# Altium PCB platka.PcbDoc
Units mm, origin at the board's own origin, x right, y up, seen from the top; angles counter-clockwise.
Board outline 155 x 100 mm, 2 copper layers (Top Layer, Bottom Layer); 44 components, 20 nets, 147 pads, 75 vias.
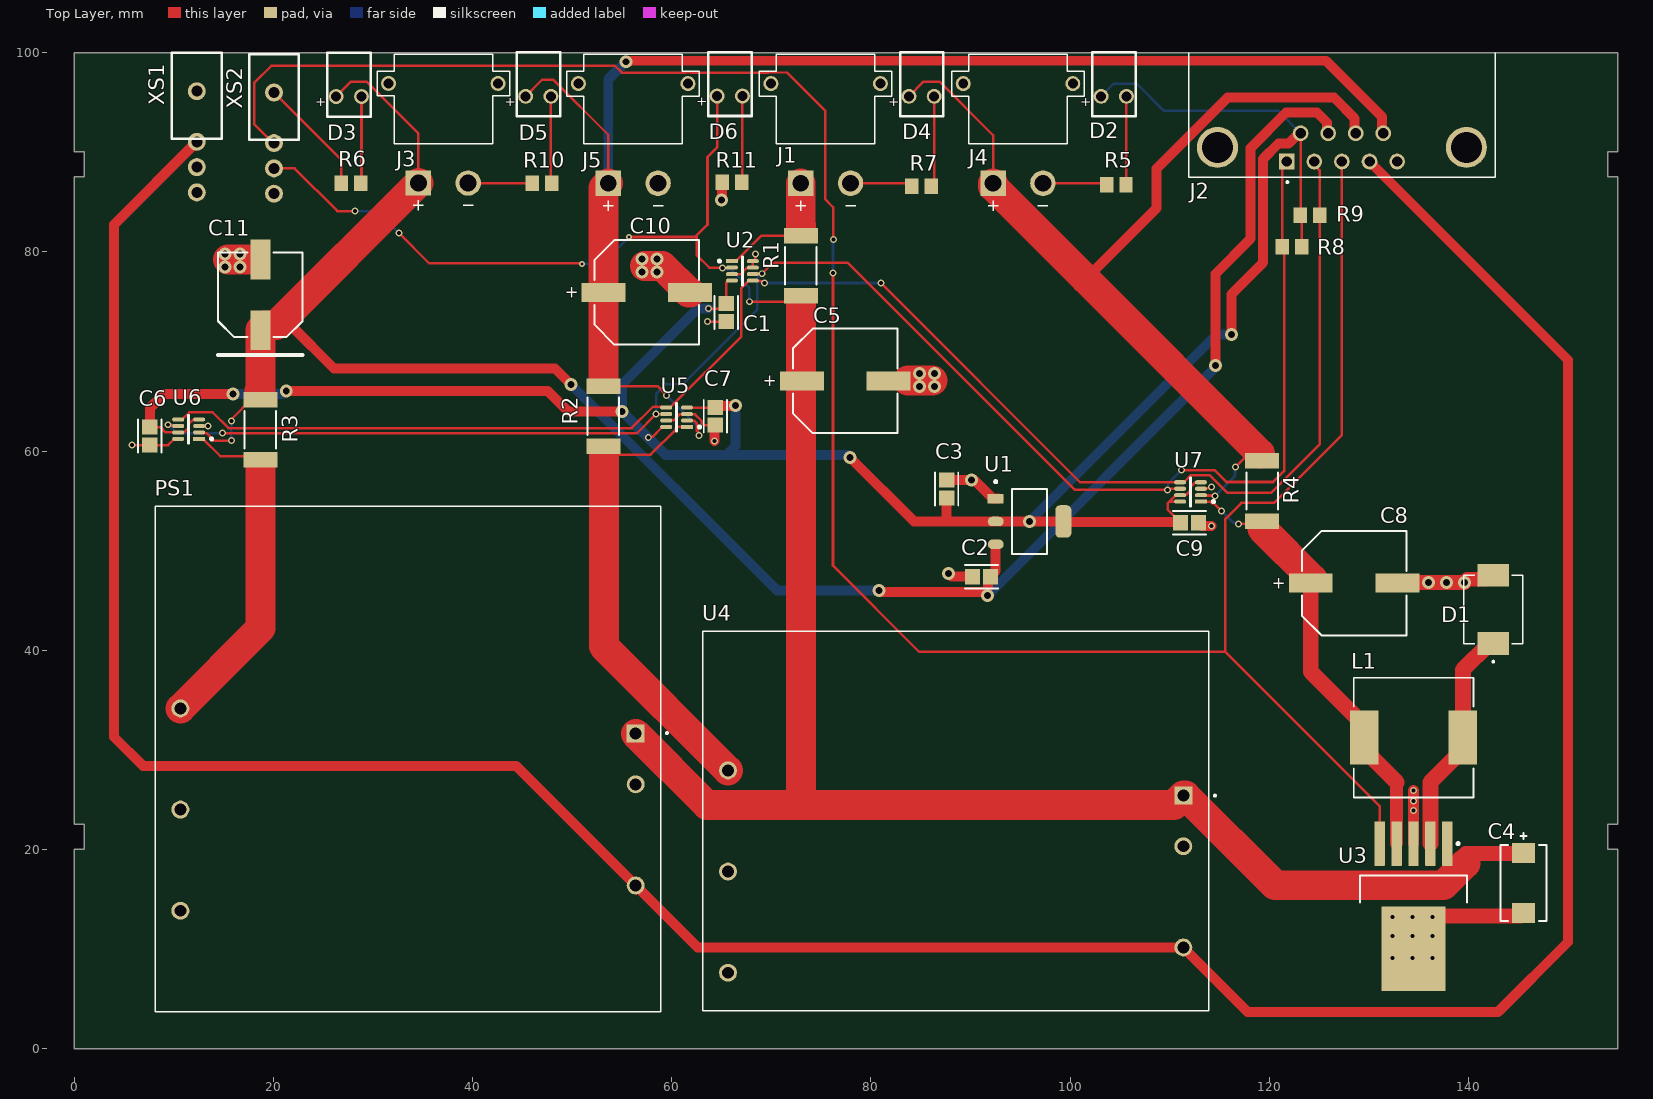
[diagram p0: Top Layer view]
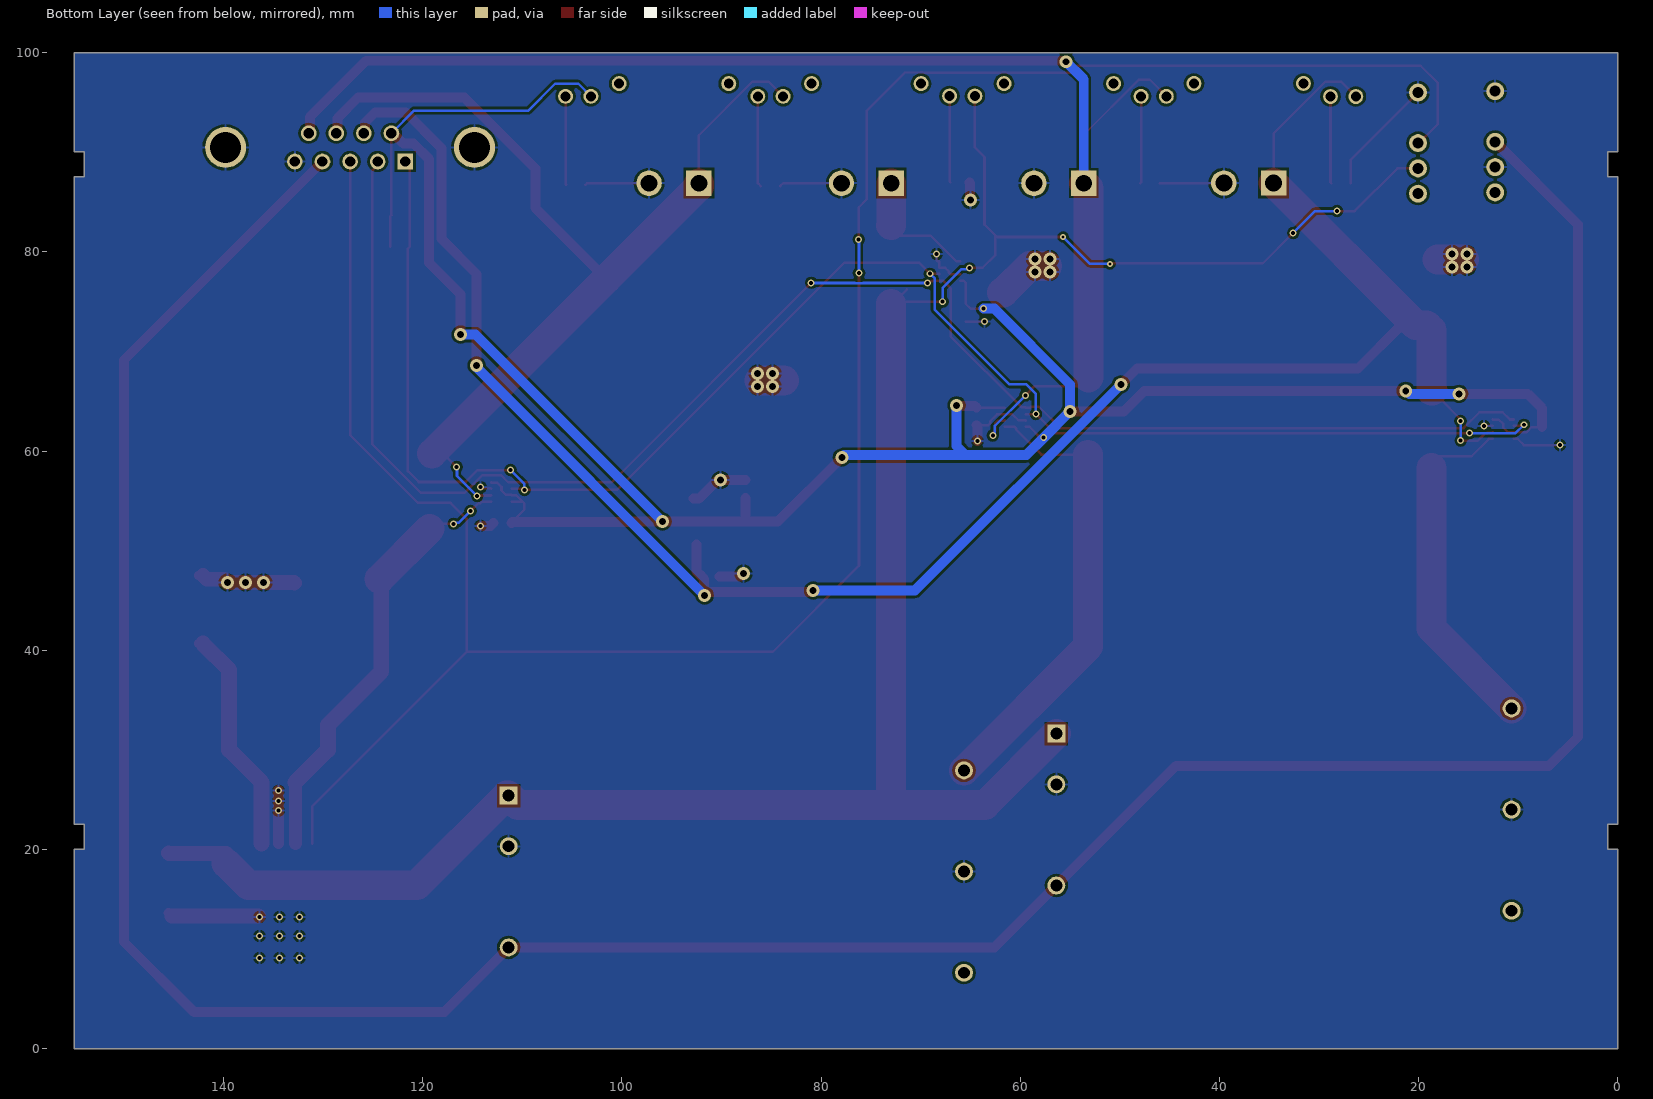
[diagram p1: Bottom Layer view, seen from below]
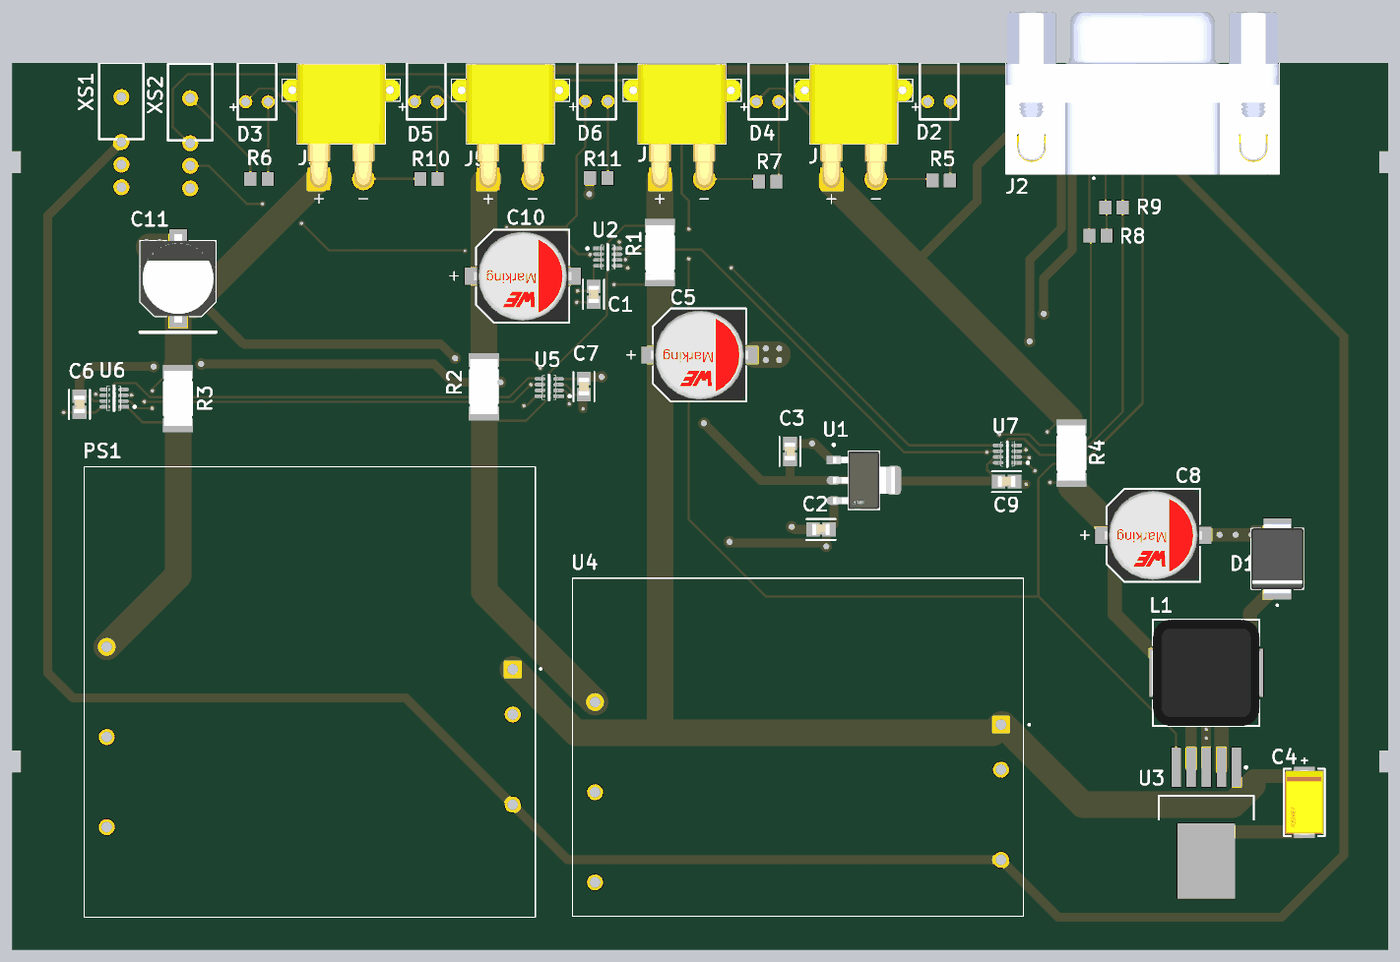
[diagram p2: 3D render of the assembled board from above, using the file's embedded part models]

## Layer stack, top to bottom
Top Solder: solder mask 0.0102, Solder Resist, Dk 3.5
Top Layer: signal copper 0.0356
Dielectric 1: dielectric 0.32, FR-4, Dk 4.8
Bottom Layer: signal copper 0.0356
Bottom Solder: solder mask 0.0102, Solder Resist, Dk 3.5

## Board outline
0.006,0.006 0.006,20.006 1.006,20.006 1.006,22.506 0.006,22.506 0.006,87.542 1.006,87.542 1.006,90.042 0.006,90.042 0.006,100.006 155.006,100.006 155.006,90.042 154.006,90.042 154.006,87.542 155.006,87.542 155.006,22.506 154.006,22.506 154.006,20.006 155.006,20.006 155.006,0.006

## Design rules (kind name [scope] priority, off if disabled: settings)
Clearance [All] p1: gap=0.254 ignorepadtopadclearanceinfootprint=FALSE
PolygonConnect [All] p1: connectstyle=Relief reliefconductorwidth=0.254 reliefentries=4 polygonreliefangle="90 Angle" airgapwidth=0.254
RoutingVias [All] p1: holewidth=0.4 width=0.7 viastyle="Through Hole" minholewidth=0.4 minwidth=0.7 maxholewidth=0.7 maxwidth=1.3
SolderMaskExpansion [All] p1: expansion=0.102 istentingtop=FALSE
SupplyNets "Schematic Supply Nets_6" [InNet('3.3v')] p1: voltage=0.000
SupplyNets "Schematic Supply Nets_5" [InNet('12 akkum do shunta')] p2: voltage=0.000
SupplyNets "Schematic Supply Nets_4" [InNet('5v lm')] p3: voltage=0.000
SupplyNets "Schematic Supply Nets_3" [InNet('GND')] p4: voltage=0.000
SupplyNets "Schematic Supply Nets_2" [InNet('12 akkum')] p5: voltage=0.000
SupplyNets "Schematic Supply Nets_1" [InNet('12v')] p6: voltage=0.000
SupplyNets "Schematic Supply Nets" [InNet('5v')] p7: voltage=0.000
Width [All] p1: maxlimit=3 minlimit=0.254 preferedwidth=1
30 further rules are at their usual default settings.

## Components (designator, comment, footprint, x,y, rotation, side; value= is the part's Value field where it differs from the comment)
C1 "C0805C104K5RACTU" FP-C0805C-DN-IPC_A 65.5,73.9 r90 top value=0.1мкФ
C2 "C0805C104K5RACTU" FP-C0805C-DN-IPC_A 91.1,47.4 r180 top value="10 мкФ"
C3 "C0805C104K5RACTU" FP-C0805C-DN-IPC_A 87.6,56.2 r90 top value="10 мкФ"
C4 "T495D107K016ATE125" FP-T495D107K016ATE125-MFG 145.542,16.637 r90 top
C5 "865060257010" 10*12.5 82.661,72.341 r180 top
C6 "C0805C104K5RACTU" FP-C0805C-DN-IPC_A 7.6,61.501 r90 top value=0.1мкФ
C7 "C0805C104K5RACTU" FP-C0805C-DN-IPC_A 64.4,63.5 r90 top value=0.1мкФ
C8 "865060257010" WCAP-ASLL_D10H10.5 128.524,46.736 r180 top
C9 "C0805C104K5RACTU" FP-C0805C-DN-IPC_A 112.001,52.8 r180 top value=0.1мкФ
C10 "865060257010" WCAP-ASLL_D10H10.5 57.506,75.946 r180 top
C11 "EEEFK1C471P" PNSC-FK-V-F_V 18.694,75.692 r90 top
D1 "SK56C" DIOM6859X262N 142.5,44.1 r90 top
D2 "Infrared, 1.5V, 30°" WL-TIRC_3mm 104.394,95.631 r0 top
D3 "Infrared, 1.5V, 30°" WL-TIRC_3mm 27.584,95.606 r0 top
D4 "Infrared, 1.5V, 30°" WL-TIRC_3mm 85.09,95.631 r0 top
D5 "Infrared, 1.5V, 30°" WL-TIRC_3mm 46.609,95.631 r0 top
D6 "Infrared, 1.5V, 30°" WL-TIRC_3mm 65.837,95.656 r0 top
J1 "XT30PW-M" AMASS_XT30PW-M 75.463,96.901 r0 top
J2 "L77SDE09SA4CH4F" AMPHENOL_L77SDE09SA4CH4F 127.307,90.5 r180 top
J3 "XT30PW-M" AMASS_XT30PW-M 37.069,96.919 r0 top
J4 "XT30PW-M" AMASS_XT30PW-M 94.781,96.901 r0 top
J5 "XT30PW-M" AMASS_XT30PW-M 56.134,96.901 r0 top
L1 "CDRH127/LDNP-470MC" SUMI-CDRH127_V 134.493,31.242 r270 top
PS1 "SDM30-12S5" CONV_SDM30-12S5 33.528,29.083 r0 top locked
R1 "CRCW25121R00FKEG" FP-CRCW2512-e3-IPC_A 72.974,78.613 r90 top
R2 "CRCW25121R00FKEG" FP-CRCW2512-e3-IPC_A 53.137,63.5 r270 top
R3 "CRCW25121R00FKEG" FP-CRCW2512-e3-IPC_A 18.694,62.154 r270 top
R4 "CRCW25121R00FKEG" FP-CRCW2512-e3-IPC_A 119.3,56 r270 top
R5 "ERJ-6ENF1001V" RESC2013X70X40ML20T20 104.648,86.741 r0 top
R6 "ERJ-6ENF1001V" RESC2013X70X40ML20T20 27.813,86.919 r0 top
R7 "ERJ-6ENF1001V" RESC2013X70X40ML20T20 85.09,86.614 r0 top
R8 "ERJ-6ENF1001V" RESC2013X70X40ML20T20 122.3,80.5 r0 top
R9 "ERJ-6ENF1001V" RESC2013X70X40ML20T20 124.1,83.7 r180 top
R10 "ERJ-6ENF1001V" RESC2013X70X40ML20T20 46.965,86.919 r0 top
R11 "ERJ-6ENF1001V" RESC2013X70X40ML20T20 66.065,86.995 r0 top
U1 "ams1117" FP-ams1117-IPC_A 95.936,52.934 r0 top
U2 "INA219AIDCNR" FP-DCN0008A-IPC_C 67.1,78.1 r0 top
U3 "LM2576HVSX-5.0" KTT0005B_M 134.493,14.283 r270 top
U4 "NSD15-12S12" CONV_NSD15-12S5 88.519,22.86 r0 top
U5 "INA219AIDCNR" FP-DCN0008A-IPC_C 60.5,63.4 r180 top
U6 "INA219AIDCNR" FP-DCN0008A-IPC_C 11.5,62.2 r180 top
U7 "INA219AIDCNR" FP-DCN0008A-IPC_C 112.1,55.9 r180 top
XS1 "тумблер угловой" "тумблер угловой" 12.319,85.979 r90 top
XS2 "тумблер угловой" "тумблер угловой" 20.066,85.852 r90 top

## Footprints (in the part's own frame and the unit in brackets; to place one, negate y for a bottom-side part, rotate by r counter-clockwise, add the part's x,y. Pads: shape width x height; smd on the part's side, far side on the other; paste and mask are expansions set on the pad)
10*12.5 [mm]
  rect 4.4x1.9 smd: 1(9.585,5.285) 2(0.885,5.285)
  silkscreen extent -0.01,0.04 10.49,10.54, body extent -0.26,0.14 10.74,10.44, height 12.35
AMASS_XT30PW-M [mm]
  round 2.55 hole 1.7: N(2.5,-10)
  rect 2.55x2.55 / inner round 2.55 / far side rect 2.55x2.55 hole 1.7: P(-2.5,-10)
  round 1.508 hole 1: S1(5.5,0) S2(-5.5,0)
  silkscreen extent -6.65,-12.75 6.65,2.95, body extent -6.65,-11 6.65,2.95, height 5
AMPHENOL_L77SDE09SA4CH4F [mm]
  rect 1.575x1.575 / inner round 1.575 / far side rect 1.575x1.575 hole 1.05: 01(5.54,1.42)
  round 1.575 hole 1.05: 02(2.77,1.42) 03(0,1.42) 04(-2.77,1.42) 05(-5.54,1.42) 06(4.155,-1.42) 07(1.385,-1.42) 08(-1.385,-1.42) 09(-4.155,-1.42)
  round 4.116 hole 3.1: SH1(-12.495,0) SH2(12.495,0)
  silkscreen extent -15.41,-9.5 15.41,3.6, body extent -15.4,-15.2 15.4,3.1, height 12.55
CONV_NSD15-12S5 [mm]
  rect 1.8x1.8 hole 1.2: 1(22.86,2.54)
  round 1.8 hole 1.2: 2(22.86,-2.54) 4(22.86,-12.7) 6(-22.86,5.08) 7(-22.86,-5.08) 8(-22.86,-15.24)
  silkscreen extent -25.4,-19.05 26.13,19.05, body extent -25.4,-19.05 25.4,19.05, height 9.82
CONV_SDM30-12S5 [mm]
  rect 1.8x1.8 hole 1.2: 1(22.86,2.54)
  round 1.8 hole 1.2: 2(22.86,-2.54) 4(22.86,-12.7) 6(-22.86,5.08) 7(-22.86,-5.08) 8(-22.86,-15.24)
  silkscreen extent -25.4,-25.4 26.1,25.4, body extent -25.53,-25.4 25.4,25.4, height 16
DIOM6859X262N [mm]
  rect 2.29x3.12 smd: A(3.43,0) C(-3.43,0)
  silkscreen extent -5.35,-2.95 3.43,2.95, body extent -3.97,-2.95 3.97,2.95, height 2.62
FP-ams1117-IPC_A [mm]
  rect 1.604x0.952 smd paste+0 mask+0: 1(-3.395,2.29)
  rrect100% 1.604x0.952 smd paste+0 mask+0: 2(-3.395,0) 3(-3.395,-2.29)
  rrect59% 1.604x3.262 smd paste+0 mask+0: 4(3.395,0)
  silkscreen extent -3.52,-3.25 1.75,4.12, body extent -4.7,-3.75 4.7,3.75, height 0.25
FP-C0805C-DN-IPC_A [mm]
  rect 1.505x1.556 smd paste+0 mask+0: 1(-0.901,0) 2(0.901,0)
  silkscreen extent -1.65,-1.18 1.65,1.18, body extent -2.15,-1.28 2.15,1.28, height 0.25
FP-CRCW2512-e3-IPC_A [mm]
  rect 1.555x3.408 smd paste+0 mask+0: 1(-3.026,0) 2(3.026,0)
  silkscreen extent -1.87,-1.58 1.87,1.58, body extent -4.3,-2.2 4.3,2.2, height 0.25
FP-DCN0008A-IPC_C [mm]
  rect 1.205x0.415 smd paste+0 mask+0: 1(-1.05,0.975)
  rrect100% 1.205x0.415 smd paste+0 mask+0: 2(-1.05,0.325) 3(-1.05,-0.325) 4(-1.05,-0.975) 5(1.05,-0.975) 6(1.05,-0.325) 7(1.05,0.325) 8(1.05,0.975)
  silkscreen extent -2.42,-1.45 0.05,1.45, body extent -1.75,-1.55 1.75,1.55, height 0.25
FP-T495D107K016ATE125-MFG [mm]
  rect 1.99x2.33 smd paste+0 mask+0: 1(-3.01,0) 2(3.01,0)
  silkscreen extent -3.8,-2.3 5,2.3, body extent -4.11,-2.4 4.11,2.4, height 0.25
KTT0005B_M [mm] "DPAK, 5-Leads, Body 10.65x9.65mm, Pitch 1.7mm, IPC Low Density"
  rrect10% 4.45x1.05 smd: 1(-6.3,3.4) 2(-6.3,1.7) 3(-6.3,0) 4(-6.3,-1.7) 5(-6.3,-3.4)
  rrect2% 8.5x6.45 smd: 6(4.25,0)
  silkscreen extent -6.42,-5.35 -0.4,5.35, body extent -3.1,-5.32 6.55,5.33, height 4.83
PNSC-FK-V-F_V [mm] "CAPAE, 2-Leads, Body 8.50x8.50mm"
  rect 4x2 smd: 1(-3.55,0) 2(3.55,0)
  silkscreen extent -6.05,-4.25 4.25,4.25, body extent -5,-4.25 5,4.25, height 10.5
RESC2013X70X40ML20T20 [mm] "Chip Resistor, 2-Leads, Body 2.00x1.25mm, IPC Low Density"
  rect 1.35x1.55 smd: 1(-0.975,0) 2(0.975,0)
  body extent -1.1,-0.72 1.1,0.72, height 0.7
SUMI-CDRH127_V [mm] "SMD, 2-Leads, Body 12x12mm"
  rect 5.4x2.9 smd: 1(0,4.95) 2(0,-4.95)
  silkscreen extent -6,-6 6,6, body extent -6,-6.1 6,6.1, height 8.4
WCAP-ASLL_D10H10.5 [mm] "Aluminium Electrolytic V-Chip SMT Capacitors, 10x10.5mm"
  rect 4.4x1.9 smd: 1(4.35,0) 2(-4.35,0)
  silkscreen extent -5.25,-5.25 5.25,5.25, body extent -5.5,-5.15 5.5,5.15, height 10.5
WL-TIRC_3mm [mm]
  round 1.5 hole 1: 1(-1.27,0) 2(1.27,0)
  silkscreen extent -2.16,-2.01 2.2,4.4, body extent -2.16,-2 2.16,6.89, height 7.35
"тумблер угловой" [mm] "SMTS-102-2C4"
  round 1.8 hole 1.1: 0(10.16,0) 1(5.08,0) 2(2.54,0) 3(0,0)
  silkscreen extent 5.41,-2.5 14.01,2.5, body extent -0.25,-2.54 25.07,2.54, height 8.3

## Part data
C1 C6 C7 C9: library part CMP-2007-00279-2, "CAP CER 0.1UF 50V X7R 0805", Capacitance="0.10 μF", Manufacturer=KEMET, Package=C0805C-DN, Temperature="-55°C to +125°C", Temperature Characteristic=X7R, Temperature Coefficient=30ppm/°C, Temperature Range High=+125°C, Temperature Range Low=-55°C, Tolerance=0.1, Voltage Rating="50 V", Automotive=No, Category=Cap, ComponentLink2Description=Datasheet, ComponentLink2URL=https://content.kemet.com/datasheets/KEM_C1003_C0G_SMD.pdf, Device Class L1="Passive Components", Device Class L2=Capacitors, Device Class L3="Ceramic Capacitors", Digikey Description="CAP CER 0.1UF 50V X7R 0805", Height=0.88mm, Ipc Land Pattern Name=CAPC200125X78, Lead Free=Yes, Manufacturer Part Number=C0805C104K5RACTU, Material=Ceramic, Mouser Description="Cap Ceramic 0.1uF 50V X7R 10% SMD 2.0 x 1.2 mm 125 C Paper T/R", Octopart=https://octopart.com/c0805c104k5ractu-kemet-143926, RoHS=TRUE
C2 C3: library part CMP-2007-00279-2, "CAP CER 10UF 50V X7R 0805", Capacitance="0.10 μF", Manufacturer=KEMET, Package=C0805C-DN, Temperature="-55°C to +125°C", Temperature Characteristic=X7R, Temperature Coefficient=30ppm/°C, Temperature Range High=+125°C, Temperature Range Low=-55°C, Tolerance=0.1, Voltage Rating="50 V", Automotive=No, Category=Cap, ComponentLink2Description=Datasheet, ComponentLink2URL=https://content.kemet.com/datasheets/KEM_C1003_C0G_SMD.pdf, Device Class L1="Passive Components", Device Class L2=Capacitors, Device Class L3="Ceramic Capacitors", Digikey Description="CAP CER 0.1UF 50V X7R 0805", Height=0.88mm, Ipc Land Pattern Name=CAPC200125X78, Lead Free=Yes, Manufacturer Part Number=C0805C104K5RACTU, Material=Ceramic, Mouser Description="Cap Ceramic 0.1uF 50V X7R 10% SMD 2.0 x 1.2 mm 125 C Paper T/R", Octopart=https://octopart.com/c0805c104k5ractu-kemet-143926, RoHS=TRUE
C4: library part CMP-2000-07207-2, "CAP TANT 100UF 10% 16V 2917", Capacitance=100uF, Case Code (Imperial)=2917, Case Code (Metric)=7343, Dielectric Material=Tantalum, ESR (Equivalent Series Resistance)=125mR, Max Operating Temperature=125°C, Min Operating Temperature=-55°C, Package Quantity=1, Tolerance=10%, Voltage=16V, Case/Package=2917, Construction=Flat, Depth=4.3mm, Dissipation Factor=8%, Failure Rate=0.001%, Features="General Purpose", Height=2.8mm, Height - Seated (Max)=0.122inch, Length=7.3mm, Life (Hours)=2000Hour, Mount="Surface Mount", Number of Pins=2, Packaging="Tape and Reel", Polarity=Polar, Radiation Hardening=No, REACH SVHC="No SVHC", RoHS Compliant=Yes, Series=T495, Termination=SMD/SMT, Voltage Rating=16V, Voltage Rating (DC)=16V, Weight=0.023634oz, Width=0.169inch
C5: library part konder, "865060257010 WCAP-ASLL Aluminum Electrolytic Capacitors 1000uf 25V", Capacitance=1mF, Case/Package=Radial, ESR (Equivalent Series Resistance)=99.9268mΩ, Insulation Resistance=100kΩ, Leakage Current=100µA, Max Operating Temperature=105°C, Min Operating Temperature=-55°C, Ripple Current=690mA, Tolerance=20%, Voltage Rating=25V, Voltage Rating (DC)=10V, Diameter=10mm, Height=10.5mm, Height - Seated (Max)=10.4902mm, Impedance=90mΩ, Length=12.5mm, Life (Hours)=5000hours, Mount="Surface Mount", NexarPartId=54202466, Polarity=Polar, REACH SVHC=Unknown, Ripple Current (AC)=690mA, RoHS=Compliant
C8: library part CMP-03913-54202466-2, "865060257010 WCAP-ASLL Aluminum Electrolytic Capacitors 1000uf 10v", Capacitance=1000uF, Case/Package=Radial, ESR (Equivalent Series Resistance)=99.9268mΩ, Insulation Resistance=100kΩ, Leakage Current=100µA, Max Operating Temperature=105°C, Min Operating Temperature=-55°C, Ripple Current=690mA, Tolerance=20%, Voltage Rating=10V, Diameter=10mm, Height=10.5mm, Height - Seated (Max)=10.4902mm, Impedance=90mΩ, Length=10.5mm, Life (Hours)=5000hours, Mount="Surface Mount", NexarPartId=54202466, Polarity=Polar, REACH SVHC=Unknown, Ripple Current (AC)=690mA, RoHS=Compliant, Voltage Rating (DC)=10V
C10: library part CMP-03913-54202466-2, "865060257010 WCAP-ASLL Aluminum Electrolytic Capacitors 470uf 16v", Capacitance=470uF, Case/Package=Radial, ESR (Equivalent Series Resistance)=99.9268mΩ, Insulation Resistance=100kΩ, Leakage Current=100µA, Max Operating Temperature=105°C, Min Operating Temperature=-55°C, Ripple Current=690mA, Tolerance=20%, Voltage Rating=16V, Voltage Rating (DC)=10V, Diameter=10mm, Height=10.5mm, Height - Seated (Max)=10.4902mm, Impedance=90mΩ, Length=10.5mm, Life (Hours)=5000hours, Mount="Surface Mount", NexarPartId=54202466, Polarity=Polar, REACH SVHC=Unknown, Ripple Current (AC)=690mA, RoHS=Compliant
C11: library part CMP-2000-06204-1, "Aluminum Electrolytic Capacitor, 470 uF, +/- 20%, 10 V, 2-Pin SMD (Size Code F), -55 to 105 degC, RoHS, Tape and Reel", Capacitance=470µF, Case Size/Dimension=Ø8x10.2mm, Lifetime@Temperature=2000Hrs@105°C, Manufacturer=Panasonic, Operating Temp Range=-55to+105°C, Operating Temp-Max=105°C, Package Description="2-Pin Electrolytic Aluminum Capacitor, Body 8.3 x 8.3 mm", Package Reference=FK-V-F, Rated Voltage=10V, Ripple Current=600mA, Datasheet URL=http://industrial.panasonic.com/cdbs/www-data/pdf/RDE0000/ABA0000C1181.pdf, Datasheet Version=03/2016, Impedance=0.16O, Manufacturer URL=http://www.panasonic.com/, Mounting Technology=SurfaceMount, Package URL=http://industrial.panasonic.com/cdbs/www-data/pdf/RDE0000/DME0000COL48.pdf, Series=FK, Type=Can
D1: "5A, 60V, Schottky Rectifier", Package="SMC-2 Taiwan Semiconductor", Availability="In Stock", Check_prices=https://www.snapeda.com/parts/SK56C/Taiwan+Semiconductor/view-part/?ref=eda, MF="Taiwan Semiconductor", MP=SK56C, Price=None, Purchase-URL=https://pricing.snapeda.com/search/part/SK56C/?ref=eda, SnapEDA_Link=https://www.snapeda.com/parts/SK56C/Taiwan+Semiconductor/view-part/?ref=snap
D2 D3 D4 D5 D6: library part 15400385F3590, "WL-TIRC THT Infrared Round Waterclear, 3mm, 60mW/sr, Infrared, 1.5V, 30°", Emitting Color=Infrared, Forward Voltage=1.5V, Manufacturer="Wurth Elektronik", Operating Temperature Max=85°C, Operating Temperature Min=-40°C, Category="Infrared LEDs", Centroid Wavelength=845nm, Chip Technology=AlGaAs, ComponentLink1Description="Website Link", ComponentLink1URL=https://www.we-online.com/redexpert/article/15400385F3590?ad, ComponentLink2Description="Datasheet Link", ComponentLink2URL=https://www.we-online.com/redexpert/spec/15400385F3590?ad, Diameter=3.85mm, Height=5.3mm, Manufacturer Part Number=15400385F3590, Match Code=WL-TIRC, Mount="Through Hole", Packaging=Bulk, Radiant Intensity=60mW/sr, Viewing Angle=30°
J1 J3 J4 J5: "Socket; DC supply; XT30; male; PIN: 2; on PCBs; THT; Colour: yellow", Package=None, Check_prices=https://www.snapeda.com/parts/XT30PW-M/AMASS/view-part/?ref=eda, MF=AMASS, MP=XT30PW-M, SnapEDA_Link=https://www.snapeda.com/parts/XT30PW-M/AMASS/view-part/?ref=snap
J2: "Connector d-sub rt angle pcb recept 4-40 threaded hole w/screwlock 9 socket cont", Package=None, Check_prices=https://www.snapeda.com/parts/L77SDE09SA4CH4F/Amphenol/view-part/?ref=eda, MF="Amphenol ICC (Commercial Products)", MP=L77SDE09SA4CH4F, SnapEDA_Link=https://www.snapeda.com/parts/L77SDE09SA4CH4F/Amphenol/view-part/?ref=snap
L1: library part CMP-2000-06084-1, "Power Inductor, 10 uH, +/- 20%, -40 to 100 degC, 2-Pin SMD, RoHS, Tape and Reel", Current - Saturation=-, Current Rating=3.25A, DC Resistance (DCR)=21.6mOhmMax, Frequency - Test=1kHz, Inductance=47µH, Manufacturer=Sumida, Operating Temperature=-40°C~100°C, Package / Case=Nonstandard, Package Description="2-Pin Surface Mount Device, Body 12 x 12 mm", Package Reference=CDRH127, Standard Package=1, Tolerance=±20%, Catalog Drawings=CDRH127SeriesFrontCDRH127SeriesSideCDRH127SeriesBottom, Category=Inductors,Coils,Chokes, Datasheet URL=http://products.sumida.com/products/pdf/CDRH127.pdf, Datasheet Version=01/2014, Family=FixedInductors, Frequency - Self Resonant=-, Height - Seated (Max)="0.315\"(8.00mm)", Manufacturer URL=http://www.sumida.com/, Material - Core=-, Mounting Technology=SurfaceMount, Mounting Type=SurfaceMount, Online Catalog=CDRHSeries, Other Names=308-1457-1, Packaging=CutTape(CT), Product Training Modules=PowerInductorBasics, Q @ Freq=-, Ratings=-, Series=CDRH127, Shielding=Shielded, Size / Dimension="0.472\"Lx0.472\"W(12.00mmx12.00mm)", Type=-
PS1: "Isolated Module DC DC Converter 1 Output 5V 5A 9.2V - 18V Input", Package="DIP-8 Mean Well", Check_prices=https://www.snapeda.com/parts/SDM30-12S5/MEAN%20WELL%20USA%20Inc./view-part/9848/?ref=eda, Digi-Key_Part_Number=1866-4448-ND, MF="MEAN WELL", MP=SDM30-12S5, Purchase-URL=https://pricing.snapeda.com/search/part/SDM30-12S5/?ref=eda, SnapEDA_Link=https://www.snapeda.com/parts/SDM30-12S5/MEAN%20WELL%20USA%20Inc./view-part/9848/?ref=snap
R1: library part CMP-02407-006956-1, "RES Thick Film, 1Ω, 1%, 1W, 100ppm/°C, 2512", Case Code (Imperial)=2512, Case Code (Metric)=6432, Max Operating Temperature=155°C, Max Power Dissipation=1W, Min Operating Temperature=-55°C, Package Quantity=2000, Resistance="0.03 Ом", Temperature Coefficient=100ppm/°C, Tolerance=1%, Voltage Rating=500V, Case/Package=2512, Composition="Thick Film", Contact Plating=Tin, Depth=3.15mm, Features="Automotive AEC-Q200", Height=0.6mm, Lead Free="Lead Free", Length=6.3mm, Military Standard=Not, Mount="Surface Mount", Number of Pins=2, Number of Terminations=2, Packaging="Tape and Reel", Power Rating=1W, Radiation Hardening=No, REACH SVHC="No SVHC", Termination=SMD/SMT, Voltage Rating (DC)=500V, Weight=0.001429oz, Width=0.124inch
R2 R4: library part CMP-02407-006956-1, "RES Thick Film, 1Ω, 1%, 1W, 100ppm/°C, 2512", Case Code (Imperial)=2512, Case Code (Metric)=6432, Max Operating Temperature=155°C, Max Power Dissipation=1W, Min Operating Temperature=-55°C, Package Quantity=2000, Resistance="0.1 Ом", Temperature Coefficient=100ppm/°C, Tolerance=1%, Voltage Rating=500V, Case/Package=2512, Composition="Thick Film", Contact Plating=Tin, Depth=3.15mm, Features="Automotive AEC-Q200", Height=0.6mm, Lead Free="Lead Free", Length=6.3mm, Military Standard=Not, Mount="Surface Mount", Number of Pins=2, Number of Terminations=2, Packaging="Tape and Reel", Power Rating=1W, Radiation Hardening=No, REACH SVHC="No SVHC", Termination=SMD/SMT, Voltage Rating (DC)=500V, Weight=0.001429oz, Width=0.124inch
R3: library part CMP-02407-006956-1, "RES Thick Film, 1Ω, 1%, 1W, 100ppm/°C, 2512", Case Code (Imperial)=2512, Case Code (Metric)=6432, Max Operating Temperature=155°C, Max Power Dissipation=1W, Min Operating Temperature=-55°C, Package Quantity=2000, Resistance="0.05 Ом", Temperature Coefficient=100ppm/°C, Tolerance=1%, Voltage Rating=500V, Case/Package=2512, Composition="Thick Film", Contact Plating=Tin, Depth=3.15mm, Features="Automotive AEC-Q200", Height=0.6mm, Lead Free="Lead Free", Length=6.3mm, Military Standard=Not, Mount="Surface Mount", Number of Pins=2, Number of Terminations=2, Packaging="Tape and Reel", Power Rating=1W, Radiation Hardening=No, REACH SVHC="No SVHC", Termination=SMD/SMT, Voltage Rating (DC)=500V, Weight=0.001429oz, Width=0.124inch
R5 R6 R7 R8 R9 R10 R11: library part CMP-2001-04375-5, "Chip Resistor, 1 KOhm, +/- 1%, 0.125 W, -55 to 155 degC, 0805 (2012 Metric), RoHS, Tape and Reel", Manufacturer=Panasonic, Max Operating Temperature="155 degC", Min Operating Temperature="-55 degC", Package Quantity=1кОм, Voltage Rating="150 V", ComponentLink1Description="Manufacturer URL", ComponentLink1URL=http://www.panasonic.com/, ComponentLink2Description=Datasheet, ComponentLink2URL=http://industrial.panasonic.com/cdbs/www-data/pdf/RDA0000/AOA0000C86.pdf, DatasheetVersion=04/2015, Height="0.6 mm", Length="2 mm", Mount="Surface Mount", Mounting Technology="Surface Mount", PackageDescription="2-Pin Surface Mount Device, Body 2 x 1.25 mm", PackageReference=0805, Packaging="Cut Tape", REACH SVHC=Yes, RoHSCompliant=true
U1: library part CMP-209535-000002-1, "1A LOW DROPOUT VOLTAGE REGULATOR 3.3V", RoHS Compliant=Yes
U2 U5 U6 U7: library part CMP-0704-00041-3, "IC CURRENT MONITOR 1% SOT23-8", Case/Package=SOT-23-8, Input Offset Voltage (Vos)=100uV, Max Input Voltage=26V, Max Operating Temperature=125°C, Max Supply Current=5mA, Max Supply Voltage=5.5V, Min Input Voltage=0V, Min Operating Temperature=-40°C, Min Supply Voltage=3V, Nominal Supply Current=700uA, Operating Supply Current=1mA, Output Current=10mA, Package Quantity=3000, Accuracy=1%, Bandwidth=3.4MHz, Common Mode Rejection Ratio=100dB, Contact Plating=Gold, Features=I²C, Height=1.3mm, Lead Free="Lead Free", Length=3mm, Number of Amplifiers=1, Number of Pins=8, Output Current per Channel=10mA, Output Type=Digital, Packaging="Tape and Reel", Quiescent Current=700uA, Radiation Hardening=No, REACH SVHC="No SVHC", RoHS Compliant=Yes, Series=Zero-Drift, Supply Current=700uA, Weight=0.001411oz, Width=1.75mm
U3: library part CMP-0069-00141-3, "SIMPLE SWITCHER® 3A Step-Down Voltage Regulator, 5-pin TO-263", Manufacturer="Texas Instruments", PackageTopMarking="NSUZXYTTE#*LM2576*HVS-5.0 P+", PowerWise=N, Code_JEDEC=MO-169-AB, ComponentLink1Description="Datasheet URL", ComponentLink1URL=http://www.ti.com/general/docs/lit/getliterature.tsp?genericPartNumber=LM2576HV&fileType=pdf, CompType=Switcher, PackageDescription="TO-263, Molded, .400 x .390 x .180in, 5 Lead, .067in Pitch, Surface Mount", PackageReference=KTT0005B, PinCount=5, RoHS=N
U4: "Isolated Module DC DC Converter 1 Output 5V 3A 9.4V - 36V Input", Package="DIP-8 Mean Well", Digi-Key_Part_Number=1866-3633-ND, MF="MEAN WELL", MP=NSD15-12S5, SnapEDA_Link=https://www.snapeda.com/parts/NSD15-12S5/MEAN%20WELL%20USA%20Inc./view-part/356097/?ref=snap
XS1 XS2: "SMTS-102-2C4"

## Via types
v1: diameter 0.7, hole 0.4, Top Layer to Bottom Layer, tented both sides, 43 vias
v2: diameter 1.3, hole 0.7, Top Layer to Bottom Layer, tented both sides, 29 vias
v3: diameter 0.6, hole 0.3, Top Layer to Bottom Layer, tented both sides, 2 vias
v4: diameter 1.3, hole 0.7, Top Layer to Bottom Layer, 1 vias

## Nets (pads, with @x,y where several pads share a name; then routed paths per layer and width w, separated by ;. In a path a pad name is that pad's centre, name@x,y a point inside that pad or via, vN(x,y) a via of type N, cw(c..) or ccw(c..) an arc to the next point about the centre after c; other vN are vias at no path point)
3.3v: C1.2 C3.1 C6.2 C7.2 C9.2 D2.1 J2.06 R8.2 R9.2 U1.2 U1.4 U2.4 U5.4 U5.8 U6.4 U6.7 U7.4 U7.7 U7.8 | length 245.7
  Top Layer w0.254: C6.2 8.65,62.402 9.176,61.875 U6.7 10.48,61.906 11.058,61.906 11.5,62.348 11.5,62.702 11.942,63.144 12.52,63.144 U6.4 ; v1(57.65,61.35) 57.735,61.435 58.065,61.435 59.054,62.425 U5.8 ; U5.4 64.374,64.375 C7.2 ; v1(63.7,74.3) 64.999,74.3 C1.2 65.5,76.927 65.698,77.125 U2.4 ; U7.8 110.004,54.925 ; C9.2 111.1,52.826 109.8,54.126 109.8,54.721 110.004,54.925 ; U7.4 113.12,56.844 112.542,56.844 112.1,56.402 112.1,56.048 111.658,55.606 111.08,55.606 U7.7 110.654,55.575 110.004,54.925 ; J2.06 123.152,83.727 R9.2 123.275,83.55 R8.2
  Top Layer w1: C6.2 7.6,64.3 9.055,65.755 v2(15.944,65.755) ; v2(21.297,66.053) 47.547,66.053 49.6,64 v2(55,64) ; C7.2 64.542,64.543 66.343,64.543 v2(66.4,64.6) ; v2(77.922,59.364) 84.352,52.934 87.6,52.934 ; C3.1 87.6,52.934 ; C9.2 111.033,52.867 99.398,52.867 U1.4 v2(95.936,52.934) U1.2 87.6,52.934 ; v2(116.2,71.7) 116.2,75.741 119.4,78.941 119.4,89.355 120.932,90.887 121.963,90.887 122.996,91.92 J2.06
  Bottom Layer w0.254: D2.1 104.393,96.9 106.7,96.9 109.4,94.2 120.872,94.2 J2.06
  Bottom Layer w1: v2(15.944,65.755) 20.917,65.755 21.216,66.053 v2(21.297,66.053) ; v1(63.7,74.3) 62.6,74.3 55,66.7 v2(55,64) v1(57.65,61.35) 59.4,59.6 65.5,59.6 ; v2(66.4,64.6) 66.4,60.5 65.5,59.6 ; v2(77.922,59.364) 77.686,59.6 65.5,59.6 ; v2(95.936,52.934) 114.702,71.7 v2(116.2,71.7)
5v: C2.1 C11.1 D3.1 J2.07 J3.P R3.1 U1.3 U6.2 | length 207.5
  Top Layer w0.254: U6.2 12.581,61.844 13.096,61.844 13.127,61.813 13.311,61.813 14.063,61.061 v1(15.779,61.061) ; v1(15.803,63.031) 15.888,63.116 15.888,63.3 17.768,65.179 R3.1 ; D3.1 27.809,97.1 29.351,97.1 34.569,91.882 J3.P
  Top Layer w1: 20.293,72.642 21.758,72.642 26.1,68.3 48.3,68.3 v2(49.9,66.7) ; v2(80.8,46) 80.881,46 81.013,45.868 91.264,45.868 91.632,45.5 v2(91.7,45.5) ; 91.748,46.353 91.748,47.148 C2.1 92.001,47.426 92.541,47.966 U1.3 ; v2(114.6,68.6) 114.6,77.791 118.146,81.337 118.146,90.446 121.7,94 124.8,94 125.812,92.988 125.812,92.03 J2.07
  Top Layer w3: C11.1 C11.1@18.72,72.167 ; 18.72,66.065 18.618,66.065 18.72,66.167 C11.1@18.72,72.167 ; J3.P 20.293,72.642 19.194,72.642 C11.1@18.72,72.167
  Bottom Layer w0.254: v1(15.779,61.061) 15.791,61.073 15.791,63.019 v1(15.803,63.031)
  Bottom Layer w1: v2(49.9,66.7) 70.6,46 v2(80.8,46) ; v2(91.7,45.5) 114.543,68.343 114.543,68.543 v2(114.6,68.6)
"5v lm": D4.1 J2.08 J4.P R4.1 U7.2 | length 101.9
  Top Layer w0.254: D4.1 85.289,97.1 86.9,97.1 92.281,91.719 J4.P ; U7.2 113.181,55.544 114.492,55.544 v1(114.543,55.493) ; v1(116.6,58.4) 117.972,59.772 R4.1@119.072,59.772
  Top Layer w1: 101.572,77.272 108.703,84.403 108.703,88.369 115.835,95.5 126.5,95.5 128.582,93.418 128.582,92.03 J2.08
  Top Layer w3: J4.P 92.281,86.563 101.572,77.272 R4.1@119.072,59.772
  Bottom Layer w0.254: v1(114.543,55.493) 116.569,57.518 116.569,58.369 v1(116.6,58.4)
"12 akkum": C4.2 C5.1 D6.1 PS1.1 R1.1 U2.2 U3.1 U4.1 XS2.2 | length 226.2
  Top Layer w0.254: XS2.2 22.136,88.392 26.428,84.1 v1(28.2,84.1) ; v1(32.6,81.9) 35.638,78.862 50.938,78.862 v3(51,78.8) ; v3(55.7,81.5) 62.35,81.5 62.5,81.65 ; D6.1 64.567,90.493 63.6,89.526 63.6,82.75 62.5,81.65 ; v1(65.103,78.371) 65.171,78.371 65.2,78.4 v1@65.2,78.425 ; v1@65.103,78.425 63.775,78.425 62.5,79.7 62.5,81.65 ; v1(67.8,75) 72.387,75 R1.1 72.048,75.587 R1.1@71.397,76.238
  Top Layer w1.5: 139.7,19.6 145.495,19.6 C4.2
  Top Layer w3: PS1.1 63.551,24.46 110.439,24.46 U4.1 ; 72.974,25.388 72.974,67.056 72.974,74.803 ; U4.1@111.6,25.4 120.6,16.4 137.5,16.4 139.7,18.6
  Bottom Layer w0.254: v1(28.2,84.1) 30.4,84.1 v1(32.6,81.9) ; v3(51,78.8) 53,78.8 v3(55.7,81.5) ; v1(65.103,78.371) 65.189,78.285 65.915,78.285 67.8,76.4 v1(67.8,75)
"12 akkum do shunta": J1.P R1.2 U2.1 | length 12.2
  Top Layer w0.254: U2.1 66.445,79.075 67.767,80.397 69.009,81.639 R1.2
  Top Layer w3: J1.P 72.963,82.688 72.974,82.677
12v: C10.1 D5.1 J2.09 J5.P R2.1 U5.2 | length 143.4
  Top Layer w0.254: D5.1 47.008,97.3 48.1,97.3 53.634,91.766 J5.P ; R2.1 58.574,66.526 v1(59.5,65.6) ; U5.2 61.581,63.044 62.28,63.044 62.534,62.79 62.534,62.069 62.767,61.837 v1(62.767,61.554)
  Top Layer w1: v4(55.4,99.1) 55.457,99.157 55.67,99.157 55.712,99.2 125.7,99.2 131.352,93.548 131.352,92.03 J2.09
  Top Layer w3: 53.137,67.386 53.137,86.404 J5.P
  Bottom Layer w0.254: v1(59.5,65.6) 62.567,62.533 62.567,61.754 v1(62.767,61.554)
  Bottom Layer w1: J5.P 53.634,97.334 v4(55.4,99.1)
Cntrl1: J2.04 PS1.4 U4.4 XS1.1 | length 310.2
  Top Layer w1: XS1.1 4,82.74 4,31.3 6.9,28.4 44.371,28.4 PS1.4 62.611,10.16 U4.4 117.839,3.7 143,3.7 150,10.7 150,69.157 J2.04
Cntrl2: J2.03 U3.5 XS2.1 | length 237.6
  Top Layer w0.254: XS2.1 19.968,90.932 18.1,92.8 18.1,97 19.8,98.7 54.3,98.7 55,98 61.35,98 cw(c61.634,96.901) 61.918,98 69.68,98 cw(c69.963,96.901) 69.99,98.036 71.6,98 71.674,97.926 75.4,94.2 75.4,85.3 76.229,84.471 v1(76.229,81.256) ; v1(76.2,77.9) 76.2,48.5 84.863,39.837 115.6,39.837 ; J2.03 127.307,61.607 120.5,54.8 117.2,54.8 115.6,53.2 115.6,39.837 ; U3.5 131.093,24.344 115.6,39.837
  Bottom Layer w0.254: v1(76.2,77.9) 76.2,81.227 v1(76.229,81.256)
GND: C1.1 C2.2 C3.2 C4.1 C5.2 C6.1 C7.1 C8.2 C9.1 C10.2 C11.2 D1.A J1.N J2.05 J2.SH1 J2.SH2 J3.N J4.N J5.N PS1.2 PS1.7 R5.1 R6.1 R7.1 R10.1 R11.1 U1.1 U2.3 U2.7 U2.8 U3.3 U3.6 U4.2 U4.7 U5.3 U5.7 U6.3 U6.8 U7.3 XS1.0 XS1.2 XS2.0 | length 98.5
  Top Layer w0.254: v1(5.8,60.6) C6.1 9.429,60.6 10.054,61.225 U6.8 ; U6.3 12.554,62.529 13.438,62.529 v1(13.442,62.533) ; XS2.0 26.838,89.24 R6.1 ; J3.N R10.1 ; U5.7 59.475,63.1 60.2,63.1 60.794,63.694 61.52,63.694 U5.3 61.581,63.694 62.349,63.694 63.042,63.001 63.042,62.798 63.241,62.599 C7.1 ; v1@63.601,72.999 C1.1 ; U2.3 67.018,77.775 67.167,77.924 67.167,78.019 67.542,78.394 68.12,78.394 U2.7 U2.8 68.326,79.075 68.4,79.149 v1(68.4,79.8) ; J1.N 83.828,86.901 R7.1 ; J4.N 103.513,86.901 R5.1 ; U7.3 113.181,56.256 113.944,56.256 114.066,56.378 v1(114.187,56.378)
  Top Layer w1: v1(64.3,61) 64.3,62.499 C7.1 ; v2(65,85.2) 65.045,85.245 65.045,86.95 R11.1 ; C3.2 90.385,57.101 92.263,55.224 U1.1 U1.1@92.819,55.224 ; v2(87.8,47.7) 88.1,47.4 C2.2 ; C9.1 113.202,52.5 v1(114.2,52.5) ; U3.3@134.48,20.596 U3.3 ; v1(136.385,13.208) U3.6@136.477,13.3 ; D1.A@142.085,47.53 D1.A ; C4.1@145.215,13.3 C4.1
  Top Layer w1.1: U3.3@134.48,20.596 v1(134.48,23.889) 134.48,25.88 v1(134.5,25.9)
  Top Layer w1.5: C8.2 132.938,46.8 v2(136,46.8) v2(137.8,46.8) v2(139.6,46.8) 139.935,47.135 141.69,47.135 D1.A@142.085,47.53 ; U3.6@136.477,13.3 C4.1@145.215,13.3
  Top Layer w3: v2@15.442,79.242 C11.2@18.1,79.242 ; 57.3,78.6 59.052,78.6 61.706,75.946 C10.2 ; C5.2@83.744,67.1 v2@86.2,67.1
  other v1: 132.4,9.1 134.4,9.1 136.4,9.1 132.4,11.3 134.4,11.3 136.4,11.3 132.385,13.208 134.385,13.208 134.48,24.884 63.6,73
  other v2: 90.1,57.1 84.9,66.5 86.4,66.5 84.9,67.8 86.4,67.8 57.035,77.984 58.535,77.984 15.135,78.485 16.635,78.485 57.035,79.284 58.535,79.284 15.135,79.785 16.635,79.785
NetC8_1: C8.1 L1.2 R4.2 U3.4 U7.1 | length 44
  Top Layer w0.254: U7.1 114.077,54.925 114.24,54.762 114.438,54.762 v1(115.2,54) ; v1(116.9,52.7) 119.026,52.7 R4.2
  Top Layer w1.3: U3.4 132.793,26.742
  Top Layer w1.6: C8.1 124.174,37.861 129.543,32.492 L1.2 129.543,29.992 132.793,26.742
  Top Layer w3: R4.2@119.3,52.2 C8.1@124.35,47.15
  Bottom Layer w0.254: v1(115.2,54) 116.415,52.785 116.815,52.785 v1(116.9,52.7)
NetD1_C: D1.C L1.1 U3.2 | length 22.9
  Top Layer w1: D1.C@142.085,40.67 D1.C
  Top Layer w1.6: U3.2 136.193,26.742 139.443,29.992 L1.1 139.443,38.028 D1.C@142.085,40.67
NetD2_2: D2.2 R5.2 | length 8.9
  Top Layer w0.254: R5.2 105.664,86.782 D2.2
NetD3_2: D3.2 R6.2 | length 8.7
  Top Layer w0.254: R6.2 28.854,86.985 D3.2
NetD4_2: D4.2 R7.2 | length 9.1
  Top Layer w0.254: R7.2 86.36,86.909 D4.2
NetD5_2: D5.2 R10.2 | length 8.7
  Top Layer w0.254: D5.2 47.879,86.979 R10.2
NetD6_2: D6.2 R11.2 | length 8.7
  Top Layer w0.254: R11.2 67.107,87.061 D6.2
NetPS1_6: PS1.6 R3.2 U6.1 | length 34.5
  Top Layer w0.254: U6.1 12.946,61.225 14.671,59.5 18.323,59.5 R3.2
  Top Layer w3: PS1.6 18.72,42.215 18.72,58.318
NetR2_2: R2.2 U4.6 U5.1 | length 46.4
  Top Layer w0.254: 53.188,59.639 57.891,59.639 60.433,62.181 60.433,62.276 60.582,62.425 U5.1
  Top Layer w3: 53.188,59.639 53.188,40.411 U4.6
SCL: J2.02 R9.1 U2.5 U5.5 U6.5 U7.5 | length 164.7
  Top Layer w0.254: U6.5 10.845,63.175 11.57,63.9 13.9,63.9 15.5,62.3 55.985,62.3 58.141,64.456 58.93,64.456 59.011,64.375 U5.5 59.502,64.428 59.897,64.428 67,71.53 67,76.37 67.755,77.125 U2.5 68.181,77.094 68.856,77.094 68.87,77.08 69.001,77.08 69.199,76.883 v1(69.319,76.883) ; v1(81,76.9) 101.025,56.875 U7.5 111.445,56.875 112.162,57.592 114.006,57.592 114.489,57.109 115.798,55.8 120.2,55.8 125.075,60.675 R9.1 125.075,88.184 124.537,88.723 J2.02
  Bottom Layer w0.254: v1(69.319,76.883) 75.759,76.883 75.773,76.869 76.627,76.869 76.641,76.883 80.983,76.883 v1(81,76.9)
SDA: J2.01 R8.1 U2.6 U5.6 U6.6 U7.6 | length 169.8
  Top Layer w0.254: v1(9.438,62.647) 9.559,62.647 9.65,62.556 10.419,62.556 U6.6 ; v1(14.9,61.8) 14.908,61.792 56.51,61.792 v1(58.443,63.725) U5.6 ; U2.6 68.169,77.793 69.058,77.793 v1(69.077,77.811) 70.196,78.931 77.669,78.931 100.5,56.1 v1(109.8,56.1) 109.921,56.1 110.046,56.225 U7.6 ; v1(111.2,58.1) 114.5,58.1 115.7,56.9 120.4,56.9 121.5,58 121.5,80.325 R8.1 121.325,88.639 J2.01
  Bottom Layer w0.254: v1(9.438,62.647) 10.285,61.8 v1(14.9,61.8) ; v1(58.443,63.725) 58.443,65.746 59.398,66.7 61.1,66.7 68.588,74.188 68.588,77.323 v1(69.077,77.811) ; v1(109.8,56.1) 109.8,56.7 v1(111.2,58.1)
pads on no net: J1.S1 J1.S2 J3.S1 J3.S2 J4.S1 J4.S2 J5.S1 J5.S2 PS1.8 U4.8 XS1.3 XS2.3

## Polygon pours and split planes (outlines as drawn)
GND on Bottom Layer "GND_L02_P000" (solid, pour order 0): 0.006,0.006 0.006,20.006 1.006,20.006 1.006,22.506 0.006,22.506 0.006,87.542 1.006,87.542 1.006,90.042 0.006,90.042 0.006,100.006 155.006,100.006 155.006,90.042 154.006,90.042 154.006,87.542 155.006,87.542 155.006,22.506 154.006,22.506 154.006,20.006 155.006,20.006 155.006,0.006

## Silkscreen, mask and mechanical layers (free items; w line width, h text height)
Mechanical 1:
  circle w0.013: c150.006,95.006 r1.7
  circle w0.013: c5.006,95.006 r1.7
  lines w0.013: 0.006,0.006 0.006,20.006 1.006,20.006 1.006,22.506 0.006,22.506 0.006,87.542 1.006,87.542 1.006,90.042 0.006,90.042 0.006,100.006 155.006,100.006 155.006,90.042 154.006,90.042 154.006,87.542 155.006,87.542 155.006,22.506 154.006,22.506 154.006,20.006 155.006,20.006 155.006,0.006 0.006,0.006

## Text inside footprints (layer, text, board x,y; h text height)
C5: Top Overlay "+" at 70.576,67.556 h1.22 r180
C8: Top Overlay "+" at 121.674,47.236 h1.22 r180
C10: Top Overlay "+" at 50.656,76.446 h1.22 r180
D2: Top Overlay "+" at 101.041,94.64 h1; Bottom Assembly "board border" at 99.944,100.381 h0.8
D3: Top Overlay "+" at 24.232,94.615 h1; Bottom Assembly "board border" at 23.134,100.356 h0.8
D4: Top Overlay "+" at 81.737,94.64 h1; Bottom Assembly "board border" at 80.64,100.381 h0.8
D5: Top Overlay "+" at 43.256,94.64 h1; Bottom Assembly "board border" at 42.159,100.381 h0.8
D6: Top Overlay "+" at 62.484,94.666 h1; Bottom Assembly "board border" at 61.387,100.406 h0.8
J2: Top 3D Body "PCB Edge" at 111.557,99.75 h1 r180